# KiCad board teacup-t41.kicad_pcb (continued)
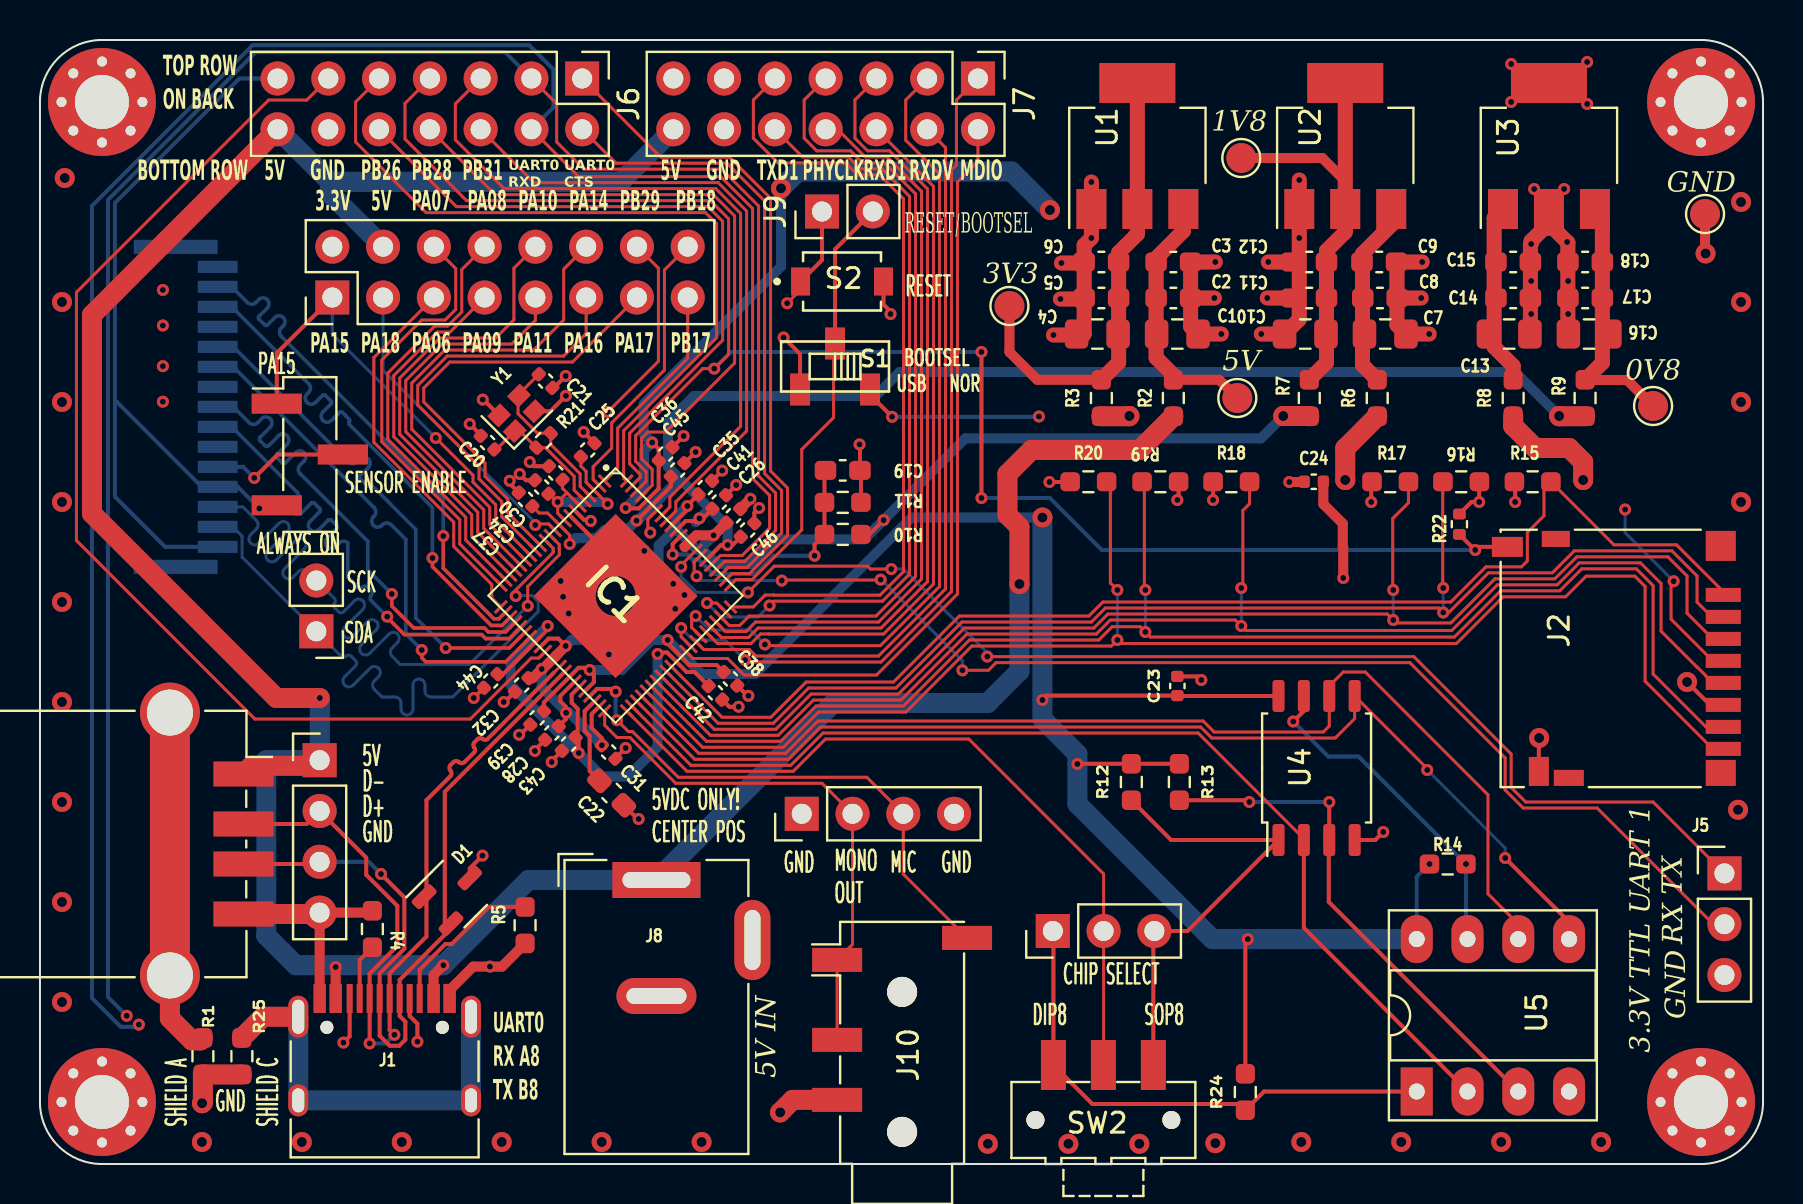
[diagram p0: board, top side]
## Nets (continued)
Net-(U2-VO): C10.1 C11.1 C12.1 R7.2 TP4.1 U2.2
Net-(U3-VI): C13.1 C14.1 C15.1 R8.2 U3.1
Net-(U3-VO): C16.1 C17.1 C18.1 R9.2 TP6.1 U3.3
Net-(U4-IO2): R13.2 U4.3 U5.3
Net-(U4-IO3): R14.1 U4.7 U5.7

Pads without a net: J2 11; J8 3; J13 MP1 MP2

## Via types
v1: diameter 0.6, hole 0.3, Top to Bottom, 170 vias
v2: diameter 1, hole 0.5, Top to Bottom, 42 vias
v3: diameter 3, hole 2, Top to Bottom, 1 via

## Routing (per net, layer and track width the routed paths; a pad name or vN(x,y) marks a point on that pad's centre or on a via; arc(x,y) is an arc through that point)
+0V8: length 107.2
  Top w0.15: C37.1 24.97,32.55 25.39,32.55 IC1.10 26.5,31.44 v1(26.5,31) ; v1(25.4,26.9) 25.4,26.73 IC1.30
  Top w0.2: C44.1 23.16,24.49 24.79,26.12 ; 33.16,32.28 33.49,32.61 ; C42.1 32.75,24.6 32.35,24.6 IC1.55 31.38,25.58 30.98,25.58 v1(30.9,25.5) ; C45.1 31.56,33.88 IC1.83 v1(29.84,32.17) ; IC1.39 26.6,23.48 26.6,23.06 26.9,22.76 26.9,20.6 v1(26.95,20.55) 26.95,21.18 C43.1 ; IC1.72 34.07,30.95 v1(34.4,30.95) 34.65,30.95 C46.1 ; 32.98,32.08 32.81,32.08 32.74,32.15 32.3,32.15 IC1.78
  Top w1: R9.1 76.01,37.39 v2(76,37.4)
  In2.Cu w0.5: v1(26.5,31) 25.35,29.85 25.35,26.95 v1(25.4,26.9)
  Bottom w0.5: v1(34.4,30.95) 34.4,31.88 31.42,34.85 31.42,37.11 32.71,38.4 41.8,38.4 43,39.6 73.8,39.6 v2(76,37.4) ; 33.5,32.77 32.81,32.08 ; v1(26.5,31) 26.79,31.29 27.83,31.29 28.22,31.68 29.36,31.68 v1(29.84,32.17) 29.9,32.17 31.99,34.26 ; v1(30.9,25.5) 30.9,20.85 29.42,19.38 28.13,19.38 v1(26.95,20.55) 26.95,20.55 23.55,23.95 23.55,25.05 v1(25.4,26.9)
  vias: v1(32.99,32.28)
+1V8: length 83.1
  Top w0.15: 25.99,33.01 v1(25.9,33.1) 26.36,33.56 ; 25.99,33.01 25.9,32.92 25.9,32.54 IC1.9 ; 25.99,33.01 25.49,33.51 C34.1 ; C30.1 26.14,33.78 26.36,33.56 ; 26.36,33.56 IC1.6 ; IC1.33 25.53,25.33 ; v1(28.4,33) 27.76,33.64 IC1.3 27.32,34.08 27.32,34.63 27.06,34.89 C25.1 ; 26.05,25.4 IC1.34
  Top w0.2: C35.1 32.39,32.93 v1(32.39,32.9) 32.39,32.73 IC1.79 ; v1(28.11,20.94) 28.11,21.29 27.6,21.8 27.6,22.5 IC1.43 ; IC1.38 26.03,23.4 26.03,23.14 26.32,22.84 v1(26.32,22.56) 26.32,22.26 C28.1 ; v1(26.3,25.9) 25.93,26.27 25.44,26.27 25.04,25.87 ; R10.1 41.49,31.48 v1(42.2,32.19)
  Top w0.5: C26.1 33.71,31.43 32.83,31.43 32.25,30.85 ; v1(26.3,25.9) 25.15,24.75 v1(25.1,24.75) 24.64,24.29 C32.1
  Top w1: v2(62.2,37.4) 63.49,37.4 R7.1
  In2.Cu w0.5: v1(28.4,33) 29.07,33.67 31.61,33.67 v1(32.39,32.9)
  Bottom w0.5: v1(26.3,25.9) 26.61,26.21 29.68,26.21 30.95,27.48 30.95,30.92 31.8,31.77 ; 31.8,31.77 32.85,30.72 32.99,30.72 ; 31.8,31.77 31.8,32.31 v1(32.39,32.9) ; 32.99,30.72 33.15,30.72 33.87,30 35.58,30 36.82,31.23 41.24,31.23 46.29,36.28 61.08,36.28 v2(62.2,37.4) ; 32.99,30.72 v1(33.7,31.43) ; v1(25.9,33.1) 28.3,33.1 v1(28.4,33) ; v1(28.11,20.94) 26.45,22.6 26.35,22.6 25.1,23.85 v1(25.1,24.75)
+3V3: length 260.8
  Top w0.15: v1(81.73,29.14) 81.6,29.01 81.6,27.24 83.69,25.16 J2.4
  Top w0.2: v1(42.63,37.36) 41.53,38.46 ; v1(56.9,33.2) 56.96,33.26 R19.1 ; v1(10.97,32.78) 11.69,32.78 J15.3 ; R24.2 60.3,11.12 v1(60.42,11.24) ; R13.1 R12.2 51.91,20.01 v1(51.9,20) ; C39.1 25.21,23.08 IC1.37 26.94,24.81 27.39,24.81 v1(27.5,24.7) 27.71,24.49 27.71,24.09 IC1.40 ; R18.1 v1(58.69,33.2) ; R16.1 72,34.1 v1(72,33.1) 71.61,33.1 R22.1 ; R17.1 66.6,34.07 v1(66.6,33.1) ; v1(73.8,33.1) 73.8,34.07 R15.1 ; v1(50.15,23.2) 50.37,23.42 C23.1 56.92,23.4 U4.8 ; v1(50.5,34.1) 51.53,34.1 R20.1 ; C38.1 33.85,24.95 32.5,24.95 IC1.56 31.4,26.05 v1(31.4,26.2) ; v1(30.63,36.07) 30.95,35.75 30.95,33.77 IC1.84 29.96,32.78 29.32,32.78 v1(29.3,32.8)
  Top w0.5: C24.1 63.23,34.1 v1(62.5,34.1)
  Top w1: v2(54.5,37.4) 54.49,37.39 R3.1 ; v2(77.2,34.2) 77.2,35.1 76.5,35.8 74.8,35.8 73.7,36.9 R8.1 ; R6.1 65.3,35.79 v2(65.3,34.2)
  In2.Cu w1: 11.3,49.1 14.53,45.86 J4.2 ; 11.3,49.1 36.75,49.1 v2(37.07,48.78) ; 11.3,49.1 9.1,51.3 9.1,52.4 10.97,54.27 J6.13 ; 29.4,49.11 29.4,52.6 31.07,54.27
  Bottom w0.15: v1(81.73,29.14) 79.3,31.57 v1(79.3,32.73)
  Bottom w0.2: v1(49.97,37.38) 49.96,37.36 v1(42.63,37.36) ; v1(10.97,32.78) 9.89,33.86 J13.4 8.09,33.86 3.85,38.1 3.75,38.1 ; 3.75,38.1 3.75,33.37 6.26,30.86 J13.1 ; 3.75,38.1 3.75,48.05 9.97,54.27 J6.13 ; 68.88,11.24 68.88,14.36 v1(69.51,15)
  Bottom w0.5: v2(37.07,48.78) 37.07,44.87 30.2,38 30.2,36.5 v1(30.63,36.07) 30.22,35.67 30.22,33.72 v1(29.3,32.8) ; v2(50.15,32.32) 43.6,32.32 35.78,24.5 33.1,24.5 v1(31.4,26.2) 30.61,26.2 29.11,24.7 v1(27.5,24.7) ; 49.95,37.35 v1(49.97,37.38)
  Bottom w1: v2(50.15,32.32) v1(50.15,23.2) 50.15,22.25 51.9,20.5 v1(51.9,20) 51.9,18 58.66,11.24 v1(60.42,11.24) 68.88,11.24 ; v2(37.07,48.78) 37.91,49.62 48.6,49.62 v2(50.53,47.7)
+5V: length 150.6
  Top w0.5: v1(14.79,9.85) J1.A4 ; v1(20.18,9.94) 19.69,9.45 J1.A9
  Top w1: R2.1 55.01,35.7 49.6,35.7 48.4,34.5 48.4,32.45 49,31.85 v2(49,29) ; J3.1 10.59,19.91 13.71,19.91 J11.1 ; J6.14 2.6,42.45 2.6,32.53 11.83,23.3 v1(14,23.3)
  Bottom w1: v1(14,23.3) 14,20.2 J11.1 11.32,20.19 11.32,11.42 12.8,9.94 v1(20.18,9.94) 24.44,14.2 J8.1 ; 14.51,49.11 14.51,48.52 J4.4 ; 14.51,49.11 29.06,49.11 J7.14 ; 14.51,49.11 J6.14 ; v2(49,29) 49,24.64 47.41,23.05 39.69,23.05 30.89,14.25
GND: length 146.3
  Top w0.2: C45.2 v1(32.8,35.6) ; v1(21.7,23.3) C44.2 ; v1(23.5,34.16) 23.5,34.02 C37.2 ; v1(24.5,35.1) 24.71,34.89 C30.2 ; v1(67.2,16.6) 66.8,16.2 U4.4 ; 13.99,8.28 J1.A1 ; 23.25,23.1 C32.2 ; v1(41,35.98) 41.02,35.96 C19.1 41.07,34.63 R11.1 ; C46.2 35.74,32.56 v1(35.98,32.8) ; v1(37.2,41.32) 38.03,40.5 S1.1 ; v1(26.31,38.41) 25.54,37.64 Y1.2 ; C28.2 24.76,20.7 v1(24.76,20.65) ; v1(29.95,17.25) 29.9,17.25 C22.2 ; D1.3 21.5,14.78 v1(22.14,15.42) ; C21.2 25.71,38.81 v1(26.3,39.4) ; v1(24,34.5) 24.31,34.19 C34.2 ; IC1.8 28.65,30.28 28.65,28.55 v3(28.8,28.4) 28.65,28.25 28.65,25.67 v1(28.46,25.48) ; C43.2 25.6,20.15 v1(25.6,20.1) ; v1(42.55,42.5) 42.55,42.62 42.2,42.97 S2.2 ; v1(58.1,24.2) 57.92,24.38 C23.2 ; C31.2 28.79,20.29 v1(29.3,20.8) ; C42.2 34.49,22.86 v1(34.95,22.86) ; v1(22.15,38.22) 22.18,38.22 Y1.4 ; R4.1 16.54,12.57 ; J2.9 74.98,21.22 ; v1(27.2,36.6) 27.74,36.06 C25.2 ; C20.1 22.05,36.45 v1(21.5,37) ; C36.2 v1(32.2,36.4) ; 35.39,23.41 C38.2 ; C35.2 v1(34.13,34.67) ; C41.2 v1(34.83,33.95) ; J2.6 83.54,22.95 v2(82.4,24.1) ; 24.02,21.46 C39.2
  Top w0.5: v1(65.2,29.3) 65.2,30.84 65.17,30.86 65.17,32.02 64.2,32.99 C24.2 ; v2(83.32,45.52) 83.3,45.55 TP8.1 ; J1.A12 20.49,8.69 21.67,9.87 v1(22.51,9.87) 23.11,9.87 R5.1 ; 13.99,8.28 J11.4 16.54,12.57 ; C26.2 v1(35.54,33.26)
  Top w0.75: 75.5,46.8 75.5,47.75 ; 75.5,46.8 75.25,46.8 74.6,46.15 v1(74.6,46) 74.56,45.96 74.56,41.5 ; 75.5,46.8 75.7,46.8 v1(76.4,46.1) 76.44,46.06 76.44,41.5 ; v1(51.05,43.25) 52.19,43.25 C5.2 ; v1(51.1,45.05) 52.19,45.05 C6.2 ; C2.2 v1(58.75,43.3) ; v1(61.4,43.3) C11.2 ; v1(69.5,41.5) C7.2 67.89,41.95 67.89,45.1 v1(69.15,45.1) ; v1(52.6,49.1) v1(52.6,46.3) 52.24,45.94 52.24,41.5 52.19,41.45 v1(50.7,41.45) ; v1(63,49.2) v1(63,46.3) 63,42.24 C10.2 v1(61.1,41.5) ; v1(61.45,45.1) C12.2 ; v1(59.1,41.5) C1.2 57.56,41.88 C3.2 v1(58.8,45.1) ; v1(69.1,43.3) C8.2
  Top w1: R25.1 R1.1 8.15,3.08 v2(8.11,3.04) ; 13.92,12.5 J3.4 ; J10.R2 37.66,3.2 v2(37.03,2.58)
  In1.Cu w0.2: 34.22,50.03 34.21,50.02
  In1.Cu w0.5: 33.12,55.37 J7.11 ; J7.11 33.05,53.1 33.05,52.91 ; J7.11 35.39,53.11 35.39,52.9 J7.12 ; J7.11 35.22,55.27 ; 33.05,52.91 J7.12 ; 33.05,52.91 33.04,52.91 ; J7.12 34.22,50.03 ; J7.12 33,50.51 33,50.5 ; J7.12 35.67,50.29 ; 15.67,50.49 14.42,51.73 ; 14.42,51.73 15.61,52.92 ; 14.42,51.73 13.26,50.57 ; 14.42,51.73 13.27,52.89
  vias: v1(6.15,43.7) v1(6.15,41.92) v1(6.15,39.89) v1(6.15,38.11) v1(23.2,23.1) v1(23.97,21.46) v1(26.05,29.15) v1(26.17,28.36) v1(26.45,27.52) v1(30.23,30.66) v1(31.68,29.01) v1(31.78,27.76) v1(32.24,28.45) v1(35.44,23.41) v1(73.6,55) v1(73.6,53.1) v1(74.6,44.15) v1(74.6,42.5) v1(74.75,48.75) v1(76.25,48.75) v1(76.45,44.15) v1(76.45,42.5) v1(77.4,55.1) v1(77.4,53) v2(1.1,43.1) v2(1.1,38.1) v2(1.1,33.1) v2(1.1,28.1) v2(1.1,23.1) v2(1.1,18.1) v2(1.1,13.1) v2(1.1,8.1) v2(1.24,49.3) v2(8.1,1.1) v2(13.1,1.1) v2(18.1,1.1) v2(23.1,1.1) v2(28.1,1.1) v2(33.1,1.1) v2(47.42,1.01) v2(51.45,1.01) v2(55,1.01) v2(58.8,1.04) v2(63.1,1.1) v2(68.1,1.1) v2(73.1,1.1) v2(75,21.3) v2(78.1,1.1) v2(84.95,17.71) v2(85.1,48.1) v2(85.1,43.1) v2(85.1,38.1) v2(85.1,33.1)
/AUX0: length 58
  Top w0.15: 14.42,54.27 13.35,53.2 11.44,53.2 1.82,43.59 1.82,31.17 10.75,22.25 21.53,22.25 24.57,25.29 24.95,25.29 IC1.32
/HPOUTL: length 26.6
  Top w0.15: 39.88,6.13 J10.T 40.65,10.97 J12.2 39.12,19.03 31.81,19.03 29.52,21.32 28.86,21.32 28.25,21.94 IC1.44
/I2C0_SCK: length 40.9
  Top w0.15: IC1.12 25.97,30.98 25.97,30.78 25.98,30.78 25.98,30.46 24.4,28.88 v1(24.4,27.9)
  Bottom w0.15: v1(24.4,27.9) 21.47,24.97 18.03,24.97 17.62,25.38 arc(17.53,25.59) 17.62,25.81 17.89,26.07 arc(17.97,26.28) 17.89,26.5 arc(17.67,26.58) 17.46,26.5 16.5,25.54 arc(16.29,25.45) 16.08,25.54 arc(15.99,25.75) 16.08,25.96 16.83,26.71 arc(16.91,26.92) 16.83,27.13 arc(16.61,27.22) 16.4,27.13 15.65,26.39 arc(15.44,26.3) 15.23,26.39 arc(15.14,26.6) 15.23,26.81 16.15,27.73 arc(16.24,27.95) 16.15,28.16 arc(15.94,28.25) 15.73,28.16 15.17,27.6 arc(15.06,27.56) 14.95,27.6 14.74,27.81 arc(14.69,27.93) 14.74,28.04 arc(14.78,28.15) 14.74,28.26 J14.2 13.37,29.63 arc(13.16,29.72) 12.95,29.63 12.66,29.35 arc(12.45,29.26) 12.24,29.35 arc(12.15,29.56) 12.24,29.77 13.23,30.76 arc(13.32,30.97) 13.23,31.19 arc(13.02,31.27) 12.8,31.19 11.81,30.2 arc(11.6,30.11) 11.39,30.2 arc(11.3,30.41) 11.39,30.62 12.38,31.61 arc(12.47,31.82) 12.38,32.03 arc(12.17,32.12) 11.96,32.03 10.97,31.04 arc(10.75,30.96) 10.54,31.04 arc(10.45,31.26) 10.54,31.47 10.82,31.75 arc(10.91,31.96) 10.82,32.17 10.14,32.86 J13.3
/I2C0_SDA: length 33.7
  Top w0.15: IC1.13 25.67,30.78 25.67,30.66 25.68,30.65 25.68,30.58 23.75,28.65 23.75,28.45 v1(23.8,28.4)
  Bottom w0.15: v1(23.8,28.4) 23.82,28.42 24.62,28.42 24.92,28.12 24.92,27.62 20.65,23.35 19.56,23.35 arc(19.35,23.44) 19.26,23.65 19.26,23.95 arc(19.17,24.16) 18.96,24.25 arc(18.75,24.16) 18.66,23.95 18.66,22.75 arc(18.57,22.54) 18.36,22.45 arc(18.15,22.54) 18.06,22.75 18.06,23.05 arc(17.97,23.26) 17.76,23.35 17.11,23.35 16.73,23.73 arc(16.64,23.94) 16.73,24.16 16.94,24.37 arc(17.03,24.58) 16.94,24.79 arc(16.73,24.88) 16.52,24.79 15.67,23.94 arc(15.46,23.86) 15.25,23.94 arc(15.16,24.16) 15.25,24.37 15.79,24.91 arc(15.84,25.04) 15.79,25.16 15.56,25.39 arc(15.44,25.44) 15.31,25.39 arc(15.19,25.34) 15.07,25.39 J14.1 13.81,26.63 10.11,30.33 10.11,31.38 9.64,31.86 J13.2
/MDCK: length 43
  Top w0.15: v1(32.08,26.8) 32.08,26.36 IC1.58 ; J7.1 45.85,53.2 45.85,49.95 45.6,49.7 45.6,28.62 42.08,25.1 35.37,25.1 v1(35.27,25.2)
  Bottom w0.15: v1(35.27,25.2) 34.27,26.2 32.67,26.2 v1(32.08,26.8)
/MDIO: length 39.4
  Top w0.15: J7.2 46.92,50.12 45.9,49.1 45.9,28.5 41.85,24.45 35.23,24.45 34.4,25.27 32.67,25.27 IC1.57
/MICLP: length 26.7
  Top w0.15: J10.S 43.19,14.49 J12.3 41.36,19.33 31.93,19.33 29.64,21.62 29.44,21.62 v1(28.87,22.19)
  Top w0.2: v1(28.8,23.62) 28.67,23.75 27.87,23.75 IC1.41
  Bottom w0.2: v1(28.87,22.19) 28.8,22.26 v1(28.8,23.62)
/MIPI_0_N: length 26.1
  Top w0.18: IC1.24 22.96,27.26 22.71,27.26 20.18,29.79 v1(20.18,31.4)
  Bottom w0.18: J13.14 9.59,43.86 10.38,43.07 arc(10.59,42.99) 10.8,43.08 10.8,43.07 10.94,43.22 arc(11.15,43.31) 11.37,43.22 arc(11.45,43.01) 11.37,42.79 10.95,42.37 arc(10.92,42.31) 10.95,42.25 11.24,41.95 arc(11.31,41.92) 11.37,41.95 11.75,42.32 arc(11.96,42.41) 12.17,42.32 arc(12.26,42.11) 12.17,41.9 12.07,41.8 arc(11.98,41.59) 12.07,41.38 20.18,33.27 v1(20.18,31.4)
/MIPI_0_P: length 26.8
  Top w0.18: IC1.25 23.12,26.93 22.57,26.93 19.64,29.86 v1(19.64,30.3)
  Bottom w0.18: v1(19.64,30.3) 19.64,32.81 15.47,36.97 arc(15.45,37.04) 15.47,37.1 15.47,37.1 arc(15.5,37.17) 15.47,37.23 15.12,37.59 arc(15.05,37.61) 14.99,37.59 14.58,37.18 arc(14.37,37.09) 14.15,37.18 arc(14.07,37.39) 14.15,37.6 14.57,38.01 arc(14.59,38.07) 14.57,38.14 14.27,38.44 arc(14.21,38.46) 14.14,38.44 13.78,38.08 arc(13.57,37.99) 13.36,38.08 arc(13.27,38.29) 13.36,38.5 13.44,38.58 arc(13.53,38.8) 13.44,39.01 9.59,42.86 J13.13 9.67,42.86
/MIPI_1_N: length 26.1
  Top w0.18: IC1.28 23.48,25.8 v1(20.3,25.8)
  Bottom w0.18: v1(20.3,25.8) 18.8,27.3 18.8,31.73 16.61,33.91 arc(16.55,33.94) 16.49,33.92 arc(16.42,33.89) 16.36,33.91 16,34.27 arc(15.98,34.34) 16,34.4 16.43,34.82 arc(16.52,35.04) 16.43,35.25 arc(16.22,35.34) 16,35.25 15.85,35.1 arc(15.64,35.01) 15.43,35.1 9.67,40.86 J13.11
/MIPI_1_P: length 26.1
  Top w0.18: v1(19.1,25.7) 19.1,25.31 19.3,25.11 23.3,25.11 24.54,26.35
  Bottom w0.18: J13.10 9.67,39.86 16.72,32.81 arc(16.8,32.6) 16.72,32.39 16.68,32.35 arc(16.59,32.14) 16.68,31.93 arc(16.89,31.84) 17.11,31.93 17.14,31.97 arc(17.35,32.05) 17.56,31.96 18.3,31.23 18.3,26.5 v1(19.1,25.7)
/MIPI_CLK_N: length 26.1
  Top w0.18: IC1.26 23.29,26.6 22.43,26.6 22.23,26.8 18.7,26.8 17.6,27.9 v1(17.6,28.5)
  Bottom w0.18: v1(17.6,28.5) 16.4,29.7 16.4,31.13 13.01,34.52 arc(12.92,34.73) 13.01,34.94 13.21,35.15 arc(13.3,35.36) 13.21,35.57 arc(13,35.66) 12.79,35.57 12.28,35.07 arc(12.19,35.03) 12.1,35.07 11.86,35.31 arc(11.82,35.4) 11.86,35.49 12.36,35.99 arc(12.45,36.21) 12.36,36.42 arc(12.15,36.51) 11.94,36.42 11.44,35.91 arc(11.35,35.88) 11.26,35.91 11.01,36.16 arc(10.97,36.25) 11.01,36.34 11.52,36.84 arc(11.6,37.05) 11.52,37.27 arc(11.3,37.35) 11.09,37.27 10.89,37.06 10.89,37.07 arc(10.68,36.98) 10.47,37.06 9.67,37.86 J13.8
/MIPI_CLK_P: length 26.8
  Top w0.18: v1(17.37,27.37) 17.4,27.34 17.4,27.3 18.23,26.47 22.1,26.47 22.3,26.27 23.47,26.27 24.04,26.84
  Bottom w0.18: 9.67,36.86 J13.7 9.59,36.86 12.85,33.6 arc(12.94,33.38) 12.85,33.17 12.67,32.99 arc(12.58,32.77) 12.67,32.56 arc(12.88,32.47) 13.09,32.56 13.57,33.04 arc(13.65,33.07) 13.73,33.04 13.99,32.77 arc(14.03,32.69) 13.99,32.61 13.52,32.14 arc(13.43,31.92) 13.52,31.71 arc(13.73,31.62) 13.94,31.71 14.42,32.19 arc(14.5,32.22) 14.58,32.19 14.84,31.93 arc(14.88,31.85) 14.84,31.77 14.37,31.29 arc(14.28,31.08) 14.37,30.86 arc(14.58,30.78) 14.79,30.86 14.98,31.05 arc(15.19,31.14) 15.4,31.05 15.4,29.34 15.89,28.85 arc(16.02,28.79) 16.14,28.85 arc(16.27,28.9) 16.4,28.85 16.57,28.68 arc(16.62,28.55) 16.57,28.42 arc(16.52,28.3) 16.57,28.17 v1(17.37,27.37)
/MMC0_CLK: length 69.8
  Top w0.15: R18.2 60.51,33.01 60.17,32.67 60.17,28.88 v1(60.1,28.8) ; J2.5 83.69,24.05 83.34,24.41 83.34,24.42 82.91,24.84 82.89,24.84 81.1,26.64 81.1,29.03 80.07,30.06 77.01,30.06 75.91,28.96 72.91,28.96 70.63,26.67 60.32,26.67 v1(60.1,26.9) 59.8,27.2 53.55,27.2 52.85,26.5 46.37,26.5 43.07,23.2 38.7,23.2 36.94,21.43 33.54,21.43 IC1.51
  Bottom w0.15: v1(60.1,26.9) v1(60.1,28.8)
/MMC0_CMD: length 68.2
  Top w0.15: IC1.52 33.73,21.73 36.81,21.73 38.58,23.5 42.95,23.5 46.25,26.8 52.72,26.8 53.42,27.5 67.4,27.5 v1(67.7,27.2) 67.85,27.05 70.58,27.05 72.79,29.26 75.78,29.26 76.88,30.36 81.44,30.36 82.4,29.4 82.4,27.54 83.69,26.25 J2.3 ; v1(67.7,28.7) 67.67,28.72 67.67,32.27 68.46,33.06 R17.2
  Bottom w0.15: v1(67.7,27.2) v1(67.7,28.7)
/MMC0_D0: length 72.2
  Top w0.15: 83.69,21.85 83.34,21.85 80.7,24.5 80.7,28.92 79.86,29.76 77.13,29.76 76.03,28.66 73.07,28.66 70.76,26.35 55.55,26.35 v1(55.3,26.6) 55.04,26.86 53.64,26.86 52.97,26.2 46.5,26.2 43.2,22.9 38.83,22.9 37.06,21.13 33.34,21.13 IC1.50 ; v1(55.3,28.7) 55.25,28.75 55.25,34 R19.2
  Top w0.2: J2.7 83.69,21.85
  Bottom w0.15: v1(55.3,26.6) v1(55.3,28.7)
/MMC0_D1: length 73.2
  Top w0.15: 83.69,20.75 80.3,24.14 80.3,28.88 79.79,29.39 77.35,29.39 76.32,28.36 73.2,28.36 70.86,26.02 54.07,26.02 v1(53.9,26.2) 53.6,25.9 46.62,25.9 43.32,22.6 38.95,22.6 37.19,20.83 33.15,20.83 IC1.49 ; R20.2 53.55,33.92 53.55,29.05 v1(53.9,28.7)
  Top w0.2: J2.8 83.69,20.75
  Bottom w0.15: v1(53.9,26.2) v1(53.9,28.7)
/MMC0_D2: length 62.6
  Top w0.15: IC1.54 34.12,22.33 36.56,22.33 38.33,24.1 42.7,24.1 46,27.4 52.48,27.4 53.18,28.1 70.58,28.1 72.34,29.86 74.12,29.86 74.41,30.15 74.41,31.58 75.24,32.41 75.24,33.77 R15.2 78.74,30.96 81.87,30.96 84.21,28.62 J2.1
/MMC0_D3: length 66.4
  Top w0.15: v1(70.2,28.8) 70.17,28.82 70.17,34.1 R16.2 ; J2.2 83.63,27.35 82.9,28.09 82.9,29.4 81.64,30.66 76.76,30.66 75.66,29.56 72.46,29.56 70.48,27.58 v1(70.2,27.58) 69.98,27.8 53.3,27.8 52.6,27.1 46.12,27.1 42.82,23.8 38.45,23.8 36.69,22.03 33.93,22.03 IC1.53
  Bottom w0.15: v1(70.2,27.58) v1(70.2,28.8)
/NOR_CE: length 38.1
  Top w0.15: IC1.45 32.37,19.63 37.68,19.63 39.3,21.25 46.47,21.25 53.21,14.51 J16.2 53.21,4.96 SW2.2
/NOR_CE1: length 26.2
  Top w0.2: U5.1 61.24,3.62 R24.1 59.99,3 52.65,3 SW2.1 50.7,11.62 J16.1
/NOR_CE2: length 23
  Top w0.2: SW2.3 55.7,11.6 J16.3 57.41,11.65 U4.1 56.59,16.2 R12.1
/NOR_CK: length 57.2
  Top w0.15: IC1.48 32.95,20.53 37.31,20.53 38.92,22.15 58.19,22.15 58.74,21.6 64.2,21.6 64.5,21.9 U4.6 64.5,23.9 65.2,24.6 66.3,24.6 72.44,18.46 72.44,13.51 73.95,11.99 73.95,11.24
/NOR_DR: length 53.7
  Top w0.15: IC1.46 32.56,19.93 37.56,19.93 39.17,21.55 57.94,21.55 63.23,16.26
  Top w0.2: U5.2 63.23,11.81 U4.2
/NOR_DT: length 56.2
  Top w0.15: IC1.47 32.76,20.23 37.43,20.23 39.05,21.85 58.06,21.85 58.61,21.3 64.8,21.3 65.77,22.27 U4.5 69.4,19.77 v1(69.4,19.7)
  Top w0.2: 76.5,11.24 76.5,12.1 v1(73.3,15.3)
  Bottom w0.15: v1(69.4,19.7) 73.3,15.8 v1(73.3,15.3)
/PA06: length 19.3
  Top w0.15: IC1.23 22.6,28.31 22.6,28.98 20.7,30.88 20.7,32.09 16.7,36.09 16.7,40.32 19.7,43.32
/PA07: length 22.1
  Top w0.15: 19.7,45.86 20.8,44.77 20.8,42.73 20.27,42.2 19.1,42.2 17.1,40.2 17.1,36.11 21,32.21 21,31 IC1.22
/PA08: length 21.5
  Top w0.15: IC1.21 21.3,31.2 21.3,32.34 17.4,36.24 17.4,39.55 19.75,41.9 20.4,41.9 21.1,42.6 21.1,44.72 J4.8
/PA09: length 18.6
  Top w0.15: IC1.20 21.6,31.39 21.6,32.46 17.7,36.36 17.7,39.42 19.88,41.6 20.52,41.6 J4.7
/PA10: length 23
  Top w0.15: IC1.19 21.9,31.59 21.9,32.59 18,36.49 18,39.3 20,41.3 22.8,41.3 23.71,42.21 23.71,44.79 J4.10
/PA11: length 20.5
  Top w0.15: J4.9 24.78,42.18 23.6,41 20.13,41 18.3,39.17 18.3,36.61 22.2,32.71 22.2,31.78 IC1.18
/PA14: length 24.3
  Top w0.15: IC1.17 22.5,31.98 22.5,32.84 18.6,36.74 18.6,39.05 20.25,40.7 24.7,40.7 26.2,42.2 26.2,44.74 J4.12
/PA15: length 23.4
  Top w0.15: 24.5,30.47 22.8,32.17 22.8,32.96 21.67,34.09 21.67,34.44 v1(19.8,36.3)
  Top w0.2: J4.1 11.84,40.54 J15.1
  Bottom w0.15: v1(19.8,36.3) 14.62,41.48 J4.1
/PA16: length 22
  Top w0.15: IC1.15 23.1,32.37 23.1,33.12 21.97,34.26 21.97,34.88 18.9,37.95 18.9,38.92 20.38,40.4 26.2,40.4 27.32,41.52 J4.11
/PA17: length 22.8
  Top w0.15: 29.86,43.32 26.64,40.1 20.5,40.1 19.2,38.8 19.2,38.1 22.27,35.03 22.27,34.38 23.4,33.25 23.4,32.56 IC1.14
/PA18: length 15.7
  Top w0.15: v1(24.78,31.95) 24.83,32 25.45,32 IC1.11
  Bottom w0.15: v1(24.78,31.95) 24.78,32.07 17.16,39.68 J4.3
/PB17: length 10.9
  Top w0.15: J4.15 32.41,40.29 28.9,36.79 28.9,34.79 IC1.1
/PB18: length 14.1
  Top w0.15: IC1.2 27.67,34.23 27.67,34.86 28.6,35.79 28.6,37.06 31.24,39.7 31.24,44.7 J4.16
/PB25: length 38.3
  Top w0.15: J6.9 15.79,53.1 15.79,51.1 19.32,47.57 33.29,47.57 33.85,47.01 33.85,41.31 29.2,36.66 29.2,34.29 IC1.88
/PB26: length 34.7
  Top w0.15: IC1.87 30.03,34.33 30.03,34.48 29.5,35.01 29.5,36.54 34.15,41.19 34.15,47.14 33.42,47.87 20.83,47.87 J6.10
/PB27: length 87.3
  Top w0.15: J6.7 18.26,53.03 18.26,51.25 21.34,48.17 33.54,48.17 34.45,47.26 34.45,40.49 v1(33.73,39.77) 33.15,39.77 29.8,36.42 29.8,35.13 30.33,34.61 30.33,34.13 IC1.86
  Top w0.2: J2.10 71.95,30.85 v1(71.8,30.7) 71.79,30.7 R22.2 ; v1(47.1,33.3) v1(47.1,40.6)
  Bottom w0.2: v1(47.1,33.3) 50.52,33.3 53.12,30.7 v1(71.8,30.7) ; v1(47.1,40.6) 34.56,40.6 v1(33.73,39.77)
/PB28: length 33.9
  Top w0.15: J6.8 22.77,48.47 33.68,48.47 34.75,47.4 34.75,40.05 31.3,36.6 30.41,36.6 30.1,36.29 30.1,35.26 30.63,34.73 30.63,33.94 IC1.85
/PB29: length 21
  Top w0.15: 29.86,45.86 30.94,44.79 30.94,40.14 v1(28.4,37.6) ; v1(30.53,31.57) 30.41,31.69 30.41,32.24 IC1.82
  In2.Cu w0.15: v1(30.53,31.57) 27.4,31.57 27.03,31.94 27.03,34.31 28.4,35.68 v1(28.4,37.6)
/PB30: length 36.1
  Top w0.15: IC1.81 31.51,32.84 31.51,33.34 35.05,36.88 35.05,47.53 33.81,48.77 23.22,48.77 20.78,51.21 20.78,53.01 J6.5
/PB31: length 32.1
  Top w0.15: J6.6 24.71,49.07 33.93,49.07 35.35,47.65 35.35,36.65 31.81,33.11 31.81,32.65 31.36,32.2
/PHYCLK: length 37.1
  Top w0.15: J7.8 39.9,51.73 41.28,50.36 42.37,50.36 44.1,48.63 44.1,29.25 41.95,27.1 35.8,27.1 35.32,26.62 34.29,26.62 IC1.63
/RXD0: length 41.9
  Top w0.15: v1(36.27,25.98) 36.32,25.92 42.05,25.92 45,28.87 45,49.5 43.31,51.19 43.31,53.2 J7.3 ; IC1.60 32.6,26.83 32.6,27.2 v1(32.8,27.4)
  Bottom w0.15: v1(32.8,27.4) 33.5,26.7 35.54,26.7 v1(36.27,25.98)
/RXD1: length 36.8
  Top w0.15: IC1.61 33.9,26.02 35.57,26.02 36.05,26.5 36.48,26.5 42.2,26.5 44.7,29 44.7,48.88 J7.6
/RXDV: length 37.5
  Top w0.15: J7.4 45.3,50.82 45.3,28.75 41.95,25.4 35.81,25.4 35.49,25.72 33.21,25.72 IC1.59
/TXCLK: length 40
  Top w0.15: IC1.62 34.09,26.32 35.45,26.32 35.92,26.8 42.08,26.8 44.4,29.12 44.4,48.76 42.5,50.66 41.4,50.66 40.77,51.29 40.77,53.2 J7.5
/TXD0: length 40.2
  Top w0.15: J7.7 38.23,53.2 38.23,51.29 38.86,50.66 40.55,50.66 41.15,50.06 42.25,50.06 43.8,48.51 43.8,29.37 41.83,27.4 35.48,27.4 35,26.92 34.48,26.92 IC1.64
/TXD1: length 39.4
  Top w0.15: J7.10 38.14,50.36 40.43,50.36 41.03,49.76 42.12,49.76 43.5,48.38 43.5,29.49 42.15,28.14 36.72,28.14 v1(36.5,27.92) ; v1(33.37,28.05) 33.85,28.05 IC1.65
  Bottom w0.15: v1(36.5,27.92) 35.93,27.35 34.07,27.35 v1(33.37,28.05)
/TXEN: length 40.2
  Top w0.15: IC1.66 35.69,27.85 36.28,28.45 36.72,28.45 36.73,28.44 42.02,28.44 43.2,29.62 43.2,48.26 42,49.46 40.9,49.46 40.3,50.06 36.92,50.06 35.69,51.29 35.69,53.2 J7.9
/UART0_CTS: length 31.5
  Top w0.15: IC1.69 34.3,29.69 34.3,29.7 34.43,29.83 35.38,29.83 37.1,31.55 37.1,33.68 36.25,34.53 36.25,48.16 34.37,50.04 28.82,50.04 J6.2
/UART0_RTS: length 33.1
  Top w0.15: IC1.68 34.63,29.53 35.5,29.53 37.4,31.42 37.4,33.8 36.55,34.65 36.55,48.28 34.49,50.34 31.06,50.34 J6.1
/UART0_RXD: length 123.1
  Top w0.15: J6.4 26.95,49.37 34.05,49.37 35.65,47.77 35.65,34.28 36.5,33.43 36.5,31.8 35.13,30.43 34.04,30.43 IC1.71
  Top w0.2: J1.A8 18.49,7.4 18.88,7.02 v1(18.88,6.12)
  In2.Cu w0.2: v1(18.88,6.12) 18.09,5.33 12.57,5.33 10.73,7.17 5.15,7.17 v1(4.95,6.97)
  Bottom w0.2: J6.4 25.69,52.83 25.69,54.73 24.48,55.94 10.64,55.94 2.6,47.9 2.6,8.3 4.04,6.86 4.84,6.86 v1(4.95,6.97)
/UART0_TXD: length 115.6
  Top w0.15: IC1.70 34.24,30.13 35.25,30.13 36.8,31.67 36.8,33.55 35.95,34.4 35.95,47.9 34.11,49.74 27.21,49.74 25.85,51.1 25.85,53.01 J6.3
  Top w0.2: v1(15.18,6.07) 15.49,6.38 J1.B8
  In2.Cu w0.2: v1(15.18,6.07) 14.81,5.7 12.69,5.7 10.87,7.52 4.45,7.52 v1(4.34,7.41)
  Bottom w0.2: v1(4.34,7.41) 3.4,8.35 3.4,48.21 10.78,55.59 23.27,55.59 J6.3
/UART_RX: length 61.9
  Top w0.15: v1(32.85,29.39) 32.73,29.51 32.73,30.1 IC1.73 32.7,30.07 ; v1(42.06,29.22) 42.04,29.2 37.14,29.2 ; 84.27,12 83.69,12 77.9,17.8 74.2,17.8 73.3,18.7 73.3,20.3 68.53,25.07 47.83,25.07 47.45,24.68 v1(46.15,24.68)
  Bottom w0.15: v1(42.06,29.22) 42.09,29.22 46.15,25.16 v1(46.15,24.68) ; v1(37.11,29.17) 36.45,29.17 36.44,29.18 33.06,29.18 v1(32.85,29.39)
/UART_TX: length 62.1
  Top w0.15: v1(35.42,28.58) 36.73,29.89 41.4,29.89 41.55,29.75 v1(42.59,29.75) ; J5.1 80.7,18.1 74.32,18.1 73.6,18.82 73.6,20.5 68.73,25.37 v1(47.39,25.37) ; v1(32.08,29.86) 32.08,29.95 IC1.74
  Bottom w0.15: v1(32.08,29.86) 32.08,29.35 32.76,28.67 32.76,28.66 32.85,28.58 v1(35.42,28.58) ; v1(42.59,29.75) 43.2,29.75 47.39,25.56 v1(47.39,25.37)
/USB_D+: length 39.8
  Top w0.2: J11.3 13.88,15 J3.3 ; IC1.36 20.25,18.62 20.25,11.46 17.99,9.2 J1.B6 17.99,7.4 18.28,7.11 18.28,6.22 17.97,5.91 17.5,5.91 16.99,6.42 J1.A6 16.99,9.53 18.23,10.77 18.23,13.33 v1(17.06,14.5)
  Bottom w0.2: J11.3 16.45,15.11 v1(17.06,14.5)
/USB_D-: length 41.8
  Top w0.2: J3.2 13.34,17 J11.2 16.32,15.32 16.32,14.46 17.88,12.9 17.88,10.91 16.49,9.52 J1.B7 16.49,6.03 v1(16.49,6.03) ; 25.71,24.57 22.39,21.25 arc(22.27,21.2) 22.15,21.25 arc(22.03,21.3) 21.9,21.25 21.72,21.07 arc(21.67,20.95) 21.72,20.82 arc(21.77,20.7) 21.72,20.58 21.24,20.09 arc(21.1,20.04) 20.96,20.09 arc(20.82,20.15) 20.69,20.09 20.54,19.95 arc(20.48,19.81) 20.54,19.67 arc(20.59,19.53) 20.54,19.39 19.33,18.19 19.33,11.37 17.49,9.53 J1.A7 17.49,6.7 v1(17.73,6.46)
  Bottom w0.2: v1(17.73,6.46) 17.3,6.03 v1(16.49,6.03)
Net-(IC1-BOOT_SEL0_PC00): length 22.1
  Top w0.15: IC1.67 34.82,29.23 35.63,29.23 38.11,31.71 38.11,35.73 39.7,37.32 39.7,40.95 39.78,41.02
  Top w0.2: 39.78,41.02 39.78,45.73 J9.2
Net-(IC1-EXCLK_I): length 7.1
  Top w0.15: R21.1 25.29,35.82 26.72,34.38 26.72,33.69 IC1.5 ; R21.1 24,36.65 Y1.1 22.83,35.73 C20.2 ; R21.1 25.14,35.82
Net-(IC1-EXCLK_O): length 8.4
  Top w0.15: C21.1 23.96,38.5 Y1.3 23.92,38.37 23.92,37.51 24.89,36.54 R21.2 25.55,35.98 27.02,34.51 27.02,33.89 IC1.4
Net-(IC1-PPRST_): length 22
  Top w0.15: v1(37.38,43.04) 38.05,43.71 S2.1
  Top w0.2: J9.1 39.12,45.2 S2.1 ; IC1.7 27.23,32.2 27.51,32.2 v1(27.55,32.15)
  In2.Cu w0.15: v1(27.55,32.15) 27.55,34.41 36.18,43.04 v1(37.38,43.04)
Net-(IC1-VCM): length 4.5
  Top w0.2: IC1.42 27.25,22.64 27.25,21.66 27.5,21.4 27.5,19.65 C22.1
Net-(IC1-VREF): length 13.5
  Top w0.2: C19.2 39.25,34.63 R10.2 38.75,30.98 v1(38.75,30.41) ; v1(31.65,30.47) 31.65,31 IC1.77
  Bottom w0.2: v1(31.65,30.47) 32.39,30.47 32.64,30.22 32.94,30.22 33.67,29.5 35.79,29.5 36.7,30.41 38.75,30.41 v1(38.75,30.41)
Net-(J1-CC1): length 2.8
  Top w0.2: J1.A5 15.99,10.2 R4.2
Net-(J1-CC2): length 8
  Top w0.2: R5.2 22.45,12.85 20.6,11 20.28,11 18.99,9.71 J1.B5
Net-(J1-SHIELD): length 20.3
  Top w1: R25.2 11.16,7.36 J1.S1
  Bottom w1: J1.S1 J1.S1 J1.S1 J1.S1
Net-(J3-Shield): length 17.4
  Top w1: J3.5 6.5,7.28 7.6,6.18 8.03,6.18 R1.2
  Top w2: J3.5 J3.5
Net-(J15-Pin_2): length 7
  Top w0.2: v1(10.72,34.3) 11.89,35.47 J15.2
  Bottom w0.2: v1(10.72,34.3) 10.16,34.86 J13.5
Net-(U1-VI): length 13
  Top w0.5: R2.2 58.99,39.21 TP1.1
  Top w0.75: U1.3 57.2,46.65 55.84,45.29 C3.1 55.84,40.31 56.7,39.45 R2.2
Net-(U1-VO): length 23.1
  Top w0.5: R3.2 49.89,39.21 48.5,40.6 TP2.1
  Top w0.75: U1.2 U1.2 54.9,46.5 53.96,45.56 53.96,40.07 R3.2
Net-(U2-VI): length 9.4
  Top w0.75: U2.3 67.6,46.95 66.16,45.51 66.16,39.95 R6.2
Net-(U2-VO): length 22.7
  Top w0.5: TP4.1 64.15,50.3 65.3,49.15 U2.2
  Top w0.75: U2.2 U2.2 65.3,46.6 64.36,45.66 64.36,40.07 R7.2
Net-(U3-VI): length 9.1
  Top w0.75: R8.2 73.7,39.9 72.75,40.85 72.75,47.3 73.2,47.75
Net-(U3-VO): length 13
  Top w0.5: TP6.1 79.4,39.2 77.31,39.2 R9.2
  Top w0.75: 77.8,47.75 78.16,47.39 C18.1 78.16,40.06 77.31,39.21 R9.2
Net-(U4-IO2): length 25.9
  Top w0.2: v1(60.5,18.1) 60.41,18.19 R13.2 ; U5.3 64.47,13.1 64.47,16.17 U4.3 v1(64.5,18.1)
  Bottom w0.2: v1(64.5,18.1) v1(60.5,18.1)
Net-(U4-IO3): length 16.9
  Top w0.2: U4.7 63.23,22.65 v1(62.7,22.12)
  Bottom w0.2: v1(62.7,22.12) 64.45,20.38 65.96,20.38 v1(71.34,15) 71.34,11.46 71.41,11.38 71.41,11.24

## Copper pours and planes (outline as drawn; the poured copper is in the pictures)
+0V8 on In2.Cu: 86.3,35.4 70.5,35.4 70.5,56.3 86.3,56.3
+1V8 on In2.Cu: 70.4,35.4 59.9,35.4 59.9,56.2 70.4,56.2
+3V3 on In2.Cu: 59.9,33.2 49.4,33.2 49.4,56.1 59.9,56.1
+3V3 on In2.Cu: 86.2,30.1 49.3,30.1 49.3,35.7 86.2,35.7
GND on Bottom, In1.Cu, In2.Cu: 86.3,-0.1 -0.3,-0.1 -0.3,56.5 86.3,56.5

## Text on the board
B.Silkscreen: PI CAMERA | EXP1 | 5V IN | ETH PHY | GitHub: CapnRon/Teacup / Discord: Hacker Homestead | Rev 3.3 [C] | TOP ROW | 3.3V | AUX0 | PB25 | PB27 | PB30 | UART0 / TXD | UART0 / RTS | GND | TXEN | TXD0 | TXCLK | RXD0 | MDCK
F.Silkscreen: BOOTSEL / USB   NOR | GND | ALWAYS ON | PA15 | SDA | SENSOR ENABLE | SCK | 5V | D- | D+ | 5VDC ONLY! / CENTER POS | MONO / OUT | MIC | RESET | DIP8 | CHIP SELECT | SOP8 | SHIELD A | SHIELD C | UART0 / RXD | UART0 / CTS | RESET/BOOTSEL | BOTTOM ROW | TOP ROW / ON BACK | 3.3V | PB26 | PA18 | PB28 | PA07 | PA06 | PB31 | PA09 | PA08 | UART0 / RX A8 / TX B8 | PA11 | PA10 | PA16 | PA14 | PA17 | PB29 | PB17 | PB18 | TXD1 | PHYCLK | RXD1 | RXDV | MDIO | 3V3 | 1V8 | 0V8 | 5V IN | 3.3V TTL UART 1 | TX | RX
